# KiCad board Eclipse65.kicad_pcb (continued)
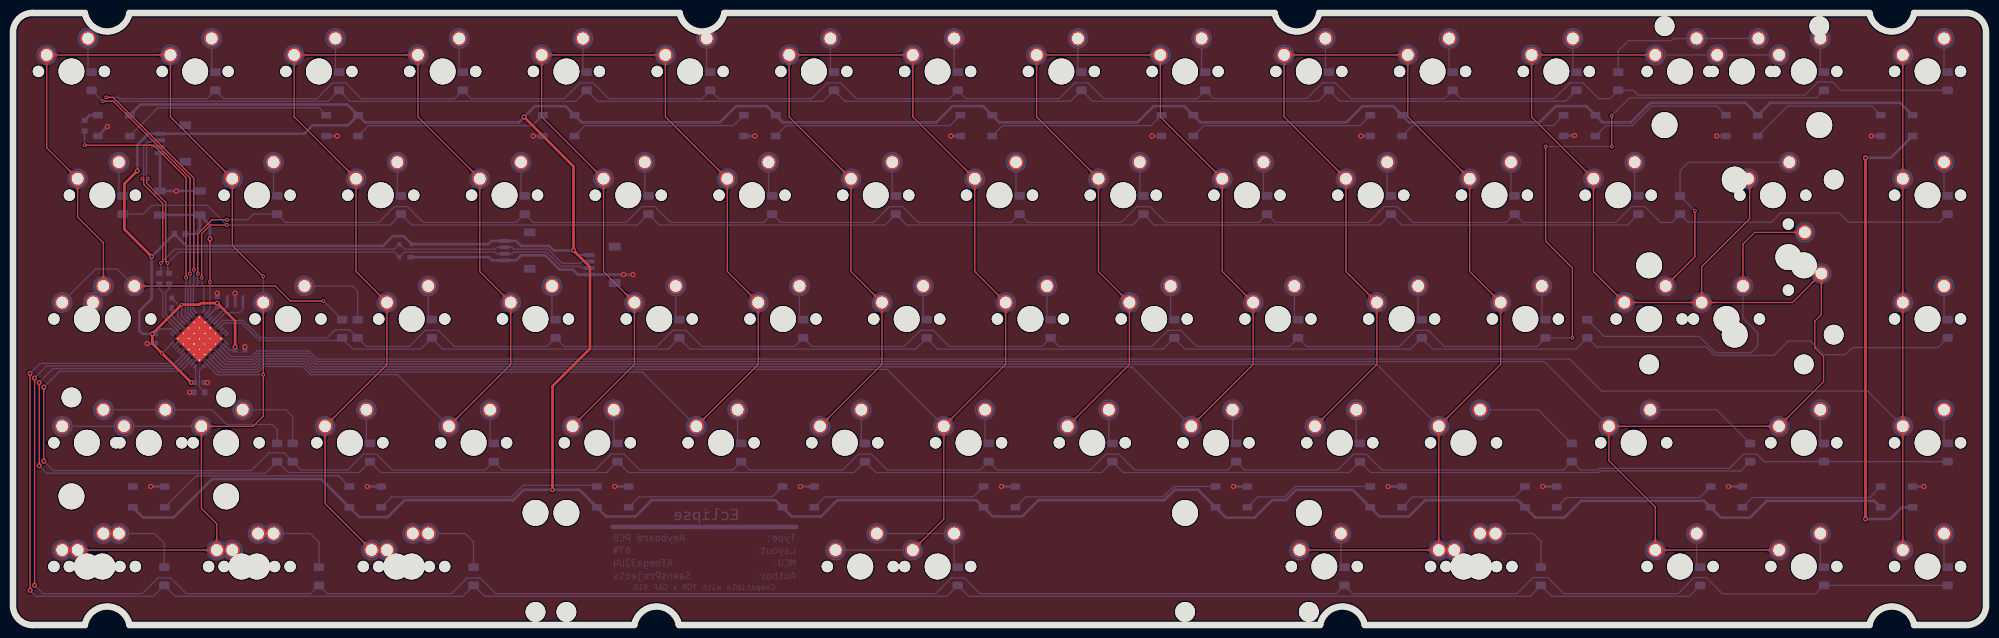
[diagram p0: board, top side]
## Copper pours and planes (outline as drawn; the poured copper is in the pictures) (continued)
Net-(D48-Pad2) on Bottom: 297.39,11.69 297.39,11.79 297.4,11.89 297.41,11.98 297.42,12.06 297.43,12.14 297.45,12.21 297.47,12.28 297.5,12.34 297.52,12.4 297.55,12.45 297.58,12.51 297.62,12.56 297.65,12.61 297.69,12.66 298.07,13.08 298.11,13.14 298.16,13.2 298.2,13.26 298.24,13.33 298.29,13.4 298.33,13.48 298.37,13.56 297.29,14.68 296.21,13.56 296.25,13.48 296.29,13.4 296.34,13.33 296.38,13.26 296.42,13.2 296.47,13.14 296.51,13.08 296.89,12.66 296.93,12.61 296.96,12.56 297,12.51 297.03,12.45 297.06,12.4 297.08,12.34 297.11,12.28 297.13,12.21 297.15,12.14 297.16,12.06 297.17,11.98 297.18,11.89 297.19,11.79 297.19,11.69
Net-(D48-Pad2) on Bottom: 297.39,10.89 297.39,11.03 297.4,11.15 297.41,11.27 297.43,11.38 297.45,11.49 297.48,11.58 297.51,11.67 297.54,11.76 297.58,11.84 297.61,11.91 297.66,11.98 297.7,12.05 297.75,12.12 297.8,12.18 297.85,12.24 297.91,12.3 298.2,12.61 298.26,12.68 298.32,12.75 298.38,12.82 298.44,12.9 298.5,12.99 298.56,13.07 298.62,13.17 298.67,13.27 298.73,13.38 297.29,14.88 295.85,13.38 295.91,13.27 295.96,13.17 296.02,13.07 296.08,12.99 296.14,12.9 296.2,12.82 296.26,12.75 296.32,12.68 296.38,12.61 296.67,12.3 296.73,12.24 296.78,12.18 296.83,12.12 296.88,12.05 296.92,11.98 296.97,11.91 297,11.84 297.04,11.76 297.07,11.67 297.1,11.58 297.13,11.49 297.15,11.38 297.17,11.27 297.18,11.15 297.19,11.03 297.19,10.89
Net-(D49-Pad2) on Bottom: 17.11,33.23 16.97,33.23 16.85,33.24 16.73,33.25 16.62,33.27 16.51,33.29 16.42,33.32 16.33,33.35 16.24,33.38 16.16,33.42 16.09,33.45 16.02,33.5 15.95,33.54 15.89,33.59 15.82,33.64 15.76,33.69 15.7,33.75 15.39,34.04 15.32,34.1 15.25,34.16 15.18,34.22 15.1,34.28 15.02,34.34 14.93,34.4 14.83,34.46 14.73,34.51 14.62,34.57 13.12,33.13 14.62,31.69 14.73,31.75 14.83,31.8 14.93,31.86 15.02,31.92 15.1,31.98 15.18,32.04 15.25,32.1 15.32,32.16 15.39,32.22 15.7,32.51 15.76,32.57 15.82,32.62 15.89,32.67 15.95,32.72 16.02,32.76 16.09,32.81 16.16,32.84 16.24,32.88 16.33,32.91 16.42,32.94 16.51,32.97 16.62,32.99 16.73,33.01 16.85,33.02 16.97,33.03 17.11,33.03
Net-(D49-Pad2) on Bottom: 16.31,33.23 16.21,33.23 16.11,33.24 16.03,33.25 15.94,33.26 15.87,33.27 15.79,33.29 15.73,33.31 15.66,33.34 15.6,33.36 15.55,33.39 15.49,33.42 15.44,33.46 15.39,33.49 15.35,33.53 14.92,33.91 14.86,33.95 14.8,34 14.74,34.04 14.67,34.08 14.6,34.13 14.53,34.17 14.44,34.21 13.32,33.13 14.44,32.05 14.53,32.09 14.6,32.13 14.67,32.18 14.74,32.22 14.8,32.26 14.86,32.31 14.92,32.35 15.35,32.73 15.39,32.77 15.44,32.8 15.49,32.84 15.55,32.87 15.6,32.9 15.66,32.92 15.73,32.95 15.79,32.97 15.87,32.99 15.94,33 16.03,33.01 16.11,33.02 16.21,33.03 16.31,33.03
Net-(D49-Pad2) on Bottom: 20.26,33.03 20.39,33.03 20.52,33.02 20.64,33.01 20.75,32.99 20.85,32.97 20.95,32.94 21.04,32.91 21.12,32.88 21.2,32.84 21.28,32.81 21.35,32.76 21.42,32.72 21.48,32.67 21.55,32.62 21.61,32.57 21.67,32.51 21.98,32.22 22.04,32.16 22.11,32.1 22.19,32.04 22.27,31.98 22.35,31.92 22.44,31.86 22.54,31.8 22.64,31.75 22.75,31.69 24.25,33.13 22.75,34.57 22.64,34.51 22.54,34.46 22.44,34.4 22.35,34.34 22.27,34.28 22.19,34.22 22.11,34.16 22.04,34.1 21.98,34.04 21.67,33.75 21.61,33.69 21.55,33.64 21.48,33.59 21.42,33.54 21.35,33.5 21.28,33.45 21.2,33.42 21.12,33.38 21.04,33.35 20.95,33.32 20.85,33.29 20.75,33.27 20.64,33.25 20.52,33.24 20.39,33.23 20.26,33.23
Net-(D49-Pad2) on Bottom: 21.06,33.03 21.16,33.03 21.25,33.02 21.34,33.01 21.42,33 21.5,32.99 21.57,32.97 21.64,32.95 21.71,32.92 21.76,32.9 21.82,32.87 21.87,32.84 21.93,32.8 21.97,32.77 22.02,32.73 22.45,32.35 22.51,32.31 22.56,32.26 22.63,32.22 22.69,32.18 22.77,32.13 22.84,32.09 22.92,32.05 24.05,33.13 22.92,34.21 22.84,34.17 22.77,34.13 22.69,34.08 22.63,34.04 22.56,34 22.51,33.95 22.45,33.91 22.02,33.53 21.97,33.49 21.93,33.46 21.87,33.42 21.82,33.39 21.76,33.36 21.71,33.34 21.64,33.31 21.57,33.29 21.5,33.27 21.42,33.26 21.34,33.25 21.25,33.24 21.16,33.23 21.06,33.23
Net-(D49-Pad2) on Bottom: 26.64,33.23 26.5,33.23 26.37,33.24 26.25,33.25 26.14,33.27 26.04,33.29 25.94,33.32 25.85,33.35 25.77,33.38 25.69,33.42 25.61,33.45 25.54,33.5 25.48,33.54 25.41,33.59 25.35,33.64 25.29,33.69 25.23,33.75 24.92,34.04 24.85,34.1 24.78,34.16 24.7,34.22 24.63,34.28 24.54,34.34 24.45,34.4 24.36,34.46 24.25,34.51 24.14,34.57 22.65,33.13 24.14,31.69 24.25,31.75 24.36,31.8 24.45,31.86 24.54,31.92 24.63,31.98 24.7,32.04 24.78,32.1 24.85,32.16 24.92,32.22 25.23,32.51 25.29,32.57 25.35,32.62 25.41,32.67 25.48,32.72 25.54,32.76 25.61,32.81 25.69,32.84 25.77,32.88 25.85,32.91 25.94,32.94 26.04,32.97 26.14,32.99 26.25,33.01 26.37,33.02 26.5,33.03 26.64,33.03
Net-(D49-Pad2) on Bottom: 25.84,33.23 25.73,33.23 25.64,33.24 25.55,33.25 25.47,33.26 25.39,33.27 25.32,33.29 25.25,33.31 25.19,33.34 25.13,33.36 25.07,33.39 25.02,33.42 24.97,33.46 24.92,33.49 24.87,33.53 24.44,33.91 24.39,33.95 24.33,34 24.27,34.04 24.2,34.08 24.13,34.13 24.05,34.17 23.97,34.21 22.85,33.13 23.97,32.05 24.05,32.09 24.13,32.13 24.2,32.18 24.27,32.22 24.33,32.26 24.39,32.31 24.44,32.35 24.87,32.73 24.92,32.77 24.97,32.8 25.02,32.84 25.07,32.87 25.13,32.9 25.19,32.92 25.25,32.95 25.32,32.97 25.39,32.99 25.47,33 25.55,33.01 25.64,33.02 25.73,33.03 25.84,33.03
Net-(D49-Pad2) on Bottom: 40.57,29.14 40.13,28.21 40.67,27.65 41.21,28.21 40.77,29.14
Net-(D50-Pad2) on Bottom: 38.54,33.23 38.41,33.23 38.28,33.24 38.16,33.25 38.05,33.27 37.95,33.29 37.85,33.32 37.76,33.35 37.67,33.38 37.6,33.42 37.52,33.45 37.45,33.5 37.38,33.54 37.32,33.59 37.25,33.64 37.19,33.69 37.13,33.75 36.82,34.04 36.76,34.1 36.68,34.16 36.61,34.22 36.53,34.28 36.45,34.34 36.36,34.4 36.26,34.46 36.16,34.51 36.05,34.57 34.55,33.13 36.05,31.69 36.16,31.75 36.26,31.8 36.36,31.86 36.45,31.92 36.53,31.98 36.61,32.04 36.68,32.1 36.76,32.16 36.82,32.22 37.13,32.51 37.19,32.57 37.25,32.62 37.32,32.67 37.38,32.72 37.45,32.76 37.52,32.81 37.6,32.84 37.67,32.88 37.76,32.91 37.85,32.94 37.95,32.97 38.05,32.99 38.16,33.01 38.28,33.02 38.41,33.03 38.54,33.03
Net-(D50-Pad2) on Bottom: 37.74,33.23 37.64,33.23 37.55,33.24 37.46,33.25 37.37,33.26 37.3,33.27 37.22,33.29 37.16,33.31 37.09,33.34 37.03,33.36 36.98,33.39 36.92,33.42 36.87,33.46 36.82,33.49 36.78,33.53 36.35,33.91 36.29,33.95 36.23,34 36.17,34.04 36.1,34.08 36.03,34.13 35.96,34.17 35.88,34.21 34.75,33.13 35.88,32.05 35.96,32.09 36.03,32.13 36.1,32.18 36.17,32.22 36.23,32.26 36.29,32.31 36.35,32.35 36.78,32.73 36.82,32.77 36.87,32.8 36.92,32.84 36.98,32.87 37.03,32.9 37.09,32.92 37.16,32.95 37.22,32.97 37.3,32.99 37.37,33 37.46,33.01 37.55,33.02 37.64,33.03 37.74,33.03
Net-(D50-Pad2) on Bottom: 42.96,29.14 42.52,28.21 43.06,27.65 43.6,28.21 43.16,29.14
Net-(D51-Pad2) on Bottom: 54.5,29.94 54.51,30.08 54.51,30.2 54.53,30.32 54.54,30.43 54.56,30.54 54.59,30.63 54.62,30.72 54.65,30.81 54.69,30.89 54.73,30.96 54.77,31.03 54.82,31.1 54.86,31.17 54.91,31.23 54.97,31.29 55.02,31.35 55.31,31.66 55.37,31.73 55.43,31.8 55.49,31.87 55.55,31.95 55.61,32.04 55.67,32.12 55.73,32.22 55.79,32.32 55.84,32.43 54.4,33.93 52.96,32.43 53.02,32.32 53.08,32.22 53.13,32.12 53.19,32.04 53.25,31.95 53.31,31.87 53.37,31.8 53.43,31.73 53.49,31.66 53.79,31.35 53.84,31.29 53.89,31.23 53.94,31.17 53.99,31.1 54.03,31.03 54.08,30.96 54.12,30.89 54.15,30.81 54.19,30.72 54.22,30.63 54.24,30.54 54.26,30.43 54.28,30.32 54.29,30.2 54.3,30.08 54.3,29.94
Net-(D51-Pad2) on Bottom: 54.5,30.74 54.5,30.84 54.51,30.94 54.52,31.03 54.53,31.11 54.55,31.19 54.57,31.26 54.59,31.33 54.61,31.39 54.64,31.45 54.67,31.5 54.7,31.56 54.73,31.61 54.76,31.66 54.8,31.71 55.18,32.13 55.22,32.19 55.27,32.25 55.31,32.31 55.36,32.38 55.4,32.45 55.44,32.53 55.48,32.61 54.4,33.73 53.32,32.61 53.36,32.53 53.41,32.45 53.45,32.38 53.49,32.31 53.54,32.25 53.58,32.19 53.63,32.13 54,31.71 54.04,31.66 54.08,31.61 54.11,31.56 54.14,31.5 54.17,31.45 54.19,31.39 54.22,31.33 54.24,31.26 54.26,31.19 54.27,31.11 54.29,31.03 54.3,30.94 54.3,30.84 54.3,30.74
Net-(D52-Pad2) on Bottom: 73.55,29.94 73.56,30.08 73.56,30.2 73.58,30.32 73.59,30.43 73.61,30.54 73.64,30.63 73.67,30.72 73.7,30.81 73.74,30.89 73.78,30.96 73.82,31.03 73.87,31.1 73.91,31.17 73.96,31.23 74.02,31.29 74.07,31.35 74.36,31.66 74.42,31.73 74.48,31.8 74.54,31.87 74.6,31.95 74.66,32.04 74.72,32.12 74.78,32.22 74.84,32.32 74.89,32.43 73.45,33.93 72.01,32.43 72.07,32.32 72.13,32.22 72.18,32.12 72.24,32.04 72.3,31.95 72.36,31.87 72.42,31.8 72.48,31.73 72.54,31.66 72.84,31.35 72.89,31.29 72.94,31.23 72.99,31.17 73.04,31.1 73.08,31.03 73.13,30.96 73.17,30.89 73.2,30.81 73.24,30.72 73.27,30.63 73.29,30.54 73.31,30.43 73.33,30.32 73.34,30.2 73.35,30.08 73.35,29.94
Net-(D52-Pad2) on Bottom: 73.55,30.74 73.55,30.84 73.56,30.94 73.57,31.03 73.58,31.11 73.6,31.19 73.62,31.26 73.64,31.33 73.66,31.39 73.69,31.45 73.72,31.5 73.75,31.56 73.78,31.61 73.81,31.66 73.85,31.71 74.23,32.13 74.27,32.19 74.32,32.25 74.36,32.31 74.41,32.38 74.45,32.45 74.49,32.53 74.53,32.61 73.45,33.73 72.37,32.61 72.41,32.53 72.46,32.45 72.5,32.38 72.54,32.31 72.59,32.25 72.63,32.19 72.68,32.13 73.05,31.71 73.09,31.66 73.13,31.61 73.16,31.56 73.19,31.5 73.22,31.45 73.24,31.39 73.27,31.33 73.29,31.26 73.31,31.19 73.32,31.11 73.34,31.03 73.35,30.94 73.35,30.84 73.35,30.74
Net-(D53-Pad2) on Bottom: 92.6,29.94 92.61,30.08 92.61,30.2 92.63,30.32 92.64,30.43 92.66,30.54 92.69,30.63 92.72,30.72 92.75,30.81 92.79,30.89 92.83,30.96 92.87,31.03 92.92,31.1 92.96,31.17 93.01,31.23 93.07,31.29 93.12,31.35 93.41,31.66 93.47,31.73 93.53,31.8 93.59,31.87 93.65,31.95 93.71,32.04 93.77,32.12 93.83,32.22 93.89,32.32 93.94,32.43 92.5,33.93 91.06,32.43 91.12,32.32 91.18,32.22 91.23,32.12 91.29,32.04 91.35,31.95 91.41,31.87 91.47,31.8 91.53,31.73 91.59,31.66 91.89,31.35 91.94,31.29 91.99,31.23 92.04,31.17 92.09,31.1 92.13,31.03 92.18,30.96 92.22,30.89 92.25,30.81 92.29,30.72 92.32,30.63 92.34,30.54 92.36,30.43 92.38,30.32 92.39,30.2 92.4,30.08 92.4,29.94
Net-(D53-Pad2) on Bottom: 92.6,30.74 92.6,30.84 92.61,30.94 92.62,31.03 92.63,31.11 92.65,31.19 92.67,31.26 92.69,31.33 92.71,31.39 92.74,31.45 92.77,31.5 92.8,31.56 92.83,31.61 92.86,31.66 92.9,31.71 93.28,32.13 93.32,32.19 93.37,32.25 93.41,32.31 93.46,32.38 93.5,32.45 93.54,32.53 93.58,32.61 92.5,33.73 91.42,32.61 91.46,32.53 91.51,32.45 91.55,32.38 91.59,32.31 91.64,32.25 91.68,32.19 91.73,32.13 92.1,31.71 92.14,31.66 92.18,31.61 92.21,31.56 92.24,31.5 92.27,31.45 92.29,31.39 92.32,31.33 92.34,31.26 92.36,31.19 92.37,31.11 92.39,31.03 92.4,30.94 92.4,30.84 92.4,30.74
Net-(D54-Pad2) on Bottom: 111.65,29.94 111.66,30.08 111.66,30.2 111.68,30.32 111.69,30.43 111.71,30.54 111.74,30.63 111.77,30.72 111.8,30.81 111.84,30.89 111.88,30.96 111.92,31.03 111.97,31.1 112.01,31.17 112.06,31.23 112.12,31.29 112.17,31.35 112.46,31.66 112.52,31.73 112.58,31.8 112.64,31.87 112.7,31.95 112.76,32.04 112.82,32.12 112.88,32.22 112.94,32.32 112.99,32.43 111.55,33.93 110.11,32.43 110.17,32.32 110.23,32.22 110.28,32.12 110.34,32.04 110.4,31.95 110.46,31.87 110.52,31.8 110.58,31.73 110.64,31.66 110.94,31.35 110.99,31.29 111.04,31.23 111.09,31.17 111.14,31.1 111.18,31.03 111.23,30.96 111.27,30.89 111.3,30.81 111.34,30.72 111.37,30.63 111.39,30.54 111.41,30.43 111.43,30.32 111.44,30.2 111.45,30.08 111.45,29.94
Net-(D54-Pad2) on Bottom: 111.65,30.74 111.65,30.84 111.66,30.94 111.67,31.03 111.68,31.11 111.7,31.19 111.72,31.26 111.74,31.33 111.76,31.39 111.79,31.45 111.82,31.5 111.85,31.56 111.88,31.61 111.91,31.66 111.95,31.71 112.33,32.13 112.37,32.19 112.42,32.25 112.46,32.31 112.51,32.38 112.55,32.45 112.59,32.53 112.63,32.61 111.55,33.73 110.47,32.61 110.51,32.53 110.56,32.45 110.6,32.38 110.64,32.31 110.69,32.25 110.73,32.19 110.78,32.13 111.15,31.71 111.19,31.66 111.23,31.61 111.26,31.56 111.29,31.5 111.32,31.45 111.34,31.39 111.37,31.33 111.39,31.26 111.41,31.19 111.42,31.11 111.44,31.03 111.45,30.94 111.45,30.84 111.45,30.74
Net-(D55-Pad2) on Bottom: 130.7,29.94 130.71,30.08 130.71,30.2 130.73,30.32 130.74,30.43 130.76,30.54 130.79,30.63 130.82,30.72 130.85,30.81 130.89,30.89 130.93,30.96 130.97,31.03 131.02,31.1 131.06,31.17 131.11,31.23 131.17,31.29 131.22,31.35 131.51,31.66 131.57,31.73 131.63,31.8 131.69,31.87 131.75,31.95 131.81,32.04 131.87,32.12 131.93,32.22 131.99,32.32 132.04,32.43 130.6,33.93 129.16,32.43 129.22,32.32 129.28,32.22 129.33,32.12 129.39,32.04 129.45,31.95 129.51,31.87 129.57,31.8 129.63,31.73 129.69,31.66 129.99,31.35 130.04,31.29 130.09,31.23 130.14,31.17 130.19,31.1 130.23,31.03 130.28,30.96 130.32,30.89 130.35,30.81 130.39,30.72 130.42,30.63 130.44,30.54 130.46,30.43 130.48,30.32 130.49,30.2 130.5,30.08 130.5,29.94
Net-(D55-Pad2) on Bottom: 130.7,30.74 130.7,30.84 130.71,30.94 130.72,31.03 130.73,31.11 130.75,31.19 130.77,31.26 130.79,31.33 130.81,31.39 130.84,31.45 130.87,31.5 130.9,31.56 130.93,31.61 130.96,31.66 131,31.71 131.38,32.13 131.42,32.19 131.47,32.25 131.51,32.31 131.56,32.38 131.6,32.45 131.64,32.53 131.68,32.61 130.6,33.73 129.52,32.61 129.56,32.53 129.61,32.45 129.65,32.38 129.69,32.31 129.74,32.25 129.78,32.19 129.83,32.13 130.2,31.71 130.24,31.66 130.28,31.61 130.31,31.56 130.34,31.5 130.37,31.45 130.39,31.39 130.42,31.33 130.44,31.26 130.46,31.19 130.47,31.11 130.49,31.03 130.5,30.94 130.5,30.84 130.5,30.74
Net-(D56-Pad2) on Bottom: 149.75,29.94 149.76,30.08 149.76,30.2 149.78,30.32 149.79,30.43 149.81,30.54 149.84,30.63 149.87,30.72 149.9,30.81 149.94,30.89 149.98,30.96 150.02,31.03 150.07,31.1 150.11,31.17 150.16,31.23 150.22,31.29 150.27,31.35 150.56,31.66 150.62,31.73 150.68,31.8 150.74,31.87 150.8,31.95 150.86,32.04 150.92,32.12 150.98,32.22 151.04,32.32 151.09,32.43 149.65,33.93 148.21,32.43 148.27,32.32 148.33,32.22 148.38,32.12 148.44,32.04 148.5,31.95 148.56,31.87 148.62,31.8 148.68,31.73 148.74,31.66 149.04,31.35 149.09,31.29 149.14,31.23 149.19,31.17 149.24,31.1 149.28,31.03 149.33,30.96 149.37,30.89 149.4,30.81 149.44,30.72 149.47,30.63 149.49,30.54 149.51,30.43 149.53,30.32 149.54,30.2 149.55,30.08 149.55,29.94
Net-(D56-Pad2) on Bottom: 149.75,30.74 149.75,30.84 149.76,30.94 149.77,31.03 149.78,31.11 149.8,31.19 149.82,31.26 149.84,31.33 149.86,31.39 149.89,31.45 149.92,31.5 149.95,31.56 149.98,31.61 150.01,31.66 150.05,31.71 150.43,32.13 150.47,32.19 150.52,32.25 150.56,32.31 150.61,32.38 150.65,32.45 150.69,32.53 150.73,32.61 149.65,33.73 148.57,32.61 148.61,32.53 148.66,32.45 148.7,32.38 148.74,32.31 148.79,32.25 148.83,32.19 148.88,32.13 149.25,31.71 149.29,31.66 149.33,31.61 149.36,31.56 149.39,31.5 149.42,31.45 149.44,31.39 149.47,31.33 149.49,31.26 149.51,31.19 149.52,31.11 149.54,31.03 149.55,30.94 149.55,30.84 149.55,30.74
Net-(D57-Pad2) on Bottom: 168.8,29.94 168.81,30.08 168.81,30.2 168.83,30.32 168.84,30.43 168.86,30.54 168.89,30.63 168.92,30.72 168.95,30.81 168.99,30.89 169.03,30.96 169.07,31.03 169.12,31.1 169.16,31.17 169.21,31.23 169.27,31.29 169.32,31.35 169.61,31.66 169.67,31.73 169.73,31.8 169.79,31.87 169.85,31.95 169.91,32.04 169.97,32.12 170.03,32.22 170.09,32.32 170.14,32.43 168.7,33.93 167.26,32.43 167.32,32.32 167.38,32.22 167.43,32.12 167.49,32.04 167.55,31.95 167.61,31.87 167.67,31.8 167.73,31.73 167.79,31.66 168.09,31.35 168.14,31.29 168.19,31.23 168.24,31.17 168.29,31.1 168.33,31.03 168.38,30.96 168.42,30.89 168.45,30.81 168.49,30.72 168.52,30.63 168.54,30.54 168.56,30.43 168.58,30.32 168.59,30.2 168.6,30.08 168.6,29.94
Net-(D57-Pad2) on Bottom: 168.8,30.74 168.8,30.84 168.81,30.94 168.82,31.03 168.83,31.11 168.85,31.19 168.87,31.26 168.89,31.33 168.91,31.39 168.94,31.45 168.97,31.5 169,31.56 169.03,31.61 169.06,31.66 169.1,31.71 169.48,32.13 169.52,32.19 169.57,32.25 169.61,32.31 169.66,32.38 169.7,32.45 169.74,32.53 169.78,32.61 168.7,33.73 167.62,32.61 167.66,32.53 167.71,32.45 167.75,32.38 167.79,32.31 167.84,32.25 167.88,32.19 167.93,32.13 168.3,31.71 168.34,31.66 168.38,31.61 168.41,31.56 168.44,31.5 168.47,31.45 168.49,31.39 168.52,31.33 168.54,31.26 168.56,31.19 168.57,31.11 168.59,31.03 168.6,30.94 168.6,30.84 168.6,30.74
Net-(D58-Pad2) on Bottom: 187.85,29.94 187.86,30.08 187.86,30.2 187.88,30.32 187.89,30.43 187.91,30.54 187.94,30.63 187.97,30.72 188,30.81 188.04,30.89 188.08,30.96 188.12,31.03 188.17,31.1 188.21,31.17 188.26,31.23 188.32,31.29 188.37,31.35 188.66,31.66 188.72,31.73 188.78,31.8 188.84,31.87 188.9,31.95 188.96,32.04 189.02,32.12 189.08,32.22 189.14,32.32 189.19,32.43 187.75,33.93 186.31,32.43 186.37,32.32 186.43,32.22 186.48,32.12 186.54,32.04 186.6,31.95 186.66,31.87 186.72,31.8 186.78,31.73 186.84,31.66 187.14,31.35 187.19,31.29 187.24,31.23 187.29,31.17 187.34,31.1 187.38,31.03 187.43,30.96 187.47,30.89 187.5,30.81 187.54,30.72 187.57,30.63 187.59,30.54 187.61,30.43 187.63,30.32 187.64,30.2 187.65,30.08 187.65,29.94
Net-(D58-Pad2) on Bottom: 187.85,30.74 187.85,30.84 187.86,30.94 187.87,31.03 187.88,31.11 187.9,31.19 187.92,31.26 187.94,31.33 187.96,31.39 187.99,31.45 188.02,31.5 188.05,31.56 188.08,31.61 188.11,31.66 188.15,31.71 188.53,32.13 188.57,32.19 188.62,32.25 188.66,32.31 188.71,32.38 188.75,32.45 188.79,32.53 188.83,32.61 187.75,33.73 186.67,32.61 186.71,32.53 186.76,32.45 186.8,32.38 186.84,32.31 186.89,32.25 186.93,32.19 186.98,32.13 187.35,31.71 187.39,31.66 187.43,31.61 187.46,31.56 187.49,31.5 187.52,31.45 187.54,31.39 187.57,31.33 187.59,31.26 187.61,31.19 187.62,31.11 187.64,31.03 187.65,30.94 187.65,30.84 187.65,30.74
Net-(D59-Pad2) on Bottom: 206.9,29.94 206.91,30.08 206.91,30.2 206.93,30.32 206.94,30.43 206.96,30.54 206.99,30.63 207.02,30.72 207.05,30.81 207.09,30.89 207.13,30.96 207.17,31.03 207.22,31.1 207.26,31.17 207.31,31.23 207.37,31.29 207.42,31.35 207.71,31.66 207.77,31.73 207.83,31.8 207.89,31.87 207.95,31.95 208.01,32.04 208.07,32.12 208.13,32.22 208.19,32.32 208.24,32.43 206.8,33.93 205.36,32.43 205.42,32.32 205.48,32.22 205.53,32.12 205.59,32.04 205.65,31.95 205.71,31.87 205.77,31.8 205.83,31.73 205.89,31.66 206.19,31.35 206.24,31.29 206.29,31.23 206.34,31.17 206.39,31.1 206.43,31.03 206.48,30.96 206.52,30.89 206.55,30.81 206.59,30.72 206.62,30.63 206.64,30.54 206.66,30.43 206.68,30.32 206.69,30.2 206.7,30.08 206.7,29.94
Net-(D59-Pad2) on Bottom: 206.9,30.74 206.9,30.84 206.91,30.94 206.92,31.03 206.93,31.11 206.95,31.19 206.97,31.26 206.99,31.33 207.01,31.39 207.04,31.45 207.07,31.5 207.1,31.56 207.13,31.61 207.16,31.66 207.2,31.71 207.58,32.13 207.62,32.19 207.67,32.25 207.71,32.31 207.76,32.38 207.8,32.45 207.84,32.53 207.88,32.61 206.8,33.73 205.72,32.61 205.76,32.53 205.81,32.45 205.85,32.38 205.89,32.31 205.94,32.25 205.98,32.19 206.03,32.13 206.4,31.71 206.44,31.66 206.48,31.61 206.51,31.56 206.54,31.5 206.57,31.45 206.59,31.39 206.62,31.33 206.64,31.26 206.66,31.19 206.67,31.11 206.69,31.03 206.7,30.94 206.7,30.84 206.7,30.74
Net-(D60-Pad2) on Bottom: 229.04,33.23 228.91,33.23 228.78,33.24 228.66,33.25 228.55,33.27 228.45,33.29 228.35,33.32 228.26,33.35 228.17,33.38 228.1,33.42 228.02,33.45 227.95,33.5 227.88,33.54 227.82,33.59 227.75,33.64 227.69,33.69 227.63,33.75 227.32,34.04 227.26,34.1 227.18,34.16 227.11,34.22 227.03,34.28 226.95,34.34 226.86,34.4 226.76,34.46 226.66,34.51 226.55,34.57 225.05,33.13 226.55,31.69 226.66,31.75 226.76,31.8 226.86,31.86 226.95,31.92 227.03,31.98 227.11,32.04 227.18,32.1 227.26,32.16 227.32,32.22 227.63,32.51 227.69,32.57 227.75,32.62 227.82,32.67 227.88,32.72 227.95,32.76 228.02,32.81 228.1,32.84 228.17,32.88 228.26,32.91 228.35,32.94 228.45,32.97 228.55,32.99 228.66,33.01 228.78,33.02 228.91,33.03 229.04,33.03
Net-(D60-Pad2) on Bottom: 228.24,33.23 228.14,33.23 228.05,33.24 227.96,33.25 227.87,33.26 227.8,33.27 227.72,33.29 227.66,33.31 227.59,33.34 227.53,33.36 227.48,33.39 227.42,33.42 227.37,33.46 227.32,33.49 227.28,33.53 226.85,33.91 226.79,33.95 226.73,34 226.67,34.04 226.6,34.08 226.53,34.13 226.46,34.17 226.38,34.21 225.25,33.13 226.38,32.05 226.46,32.09 226.53,32.13 226.6,32.18 226.67,32.22 226.73,32.26 226.79,32.31 226.85,32.35 227.28,32.73 227.32,32.77 227.37,32.8 227.42,32.84 227.48,32.87 227.53,32.9 227.59,32.92 227.66,32.95 227.72,32.97 227.8,32.99 227.87,33 227.96,33.01 228.05,33.02 228.14,33.03 228.24,33.03
Net-(D60-Pad2) on Bottom: 239.07,28.72 239.41,27.75 240.19,27.74 240.18,28.52 239.21,28.86
Net-(D62-Pad2) on Bottom: 255.24,33.23 255.1,33.23 254.97,33.24 254.85,33.25 254.74,33.27 254.64,33.29 254.54,33.32 254.45,33.35 254.37,33.38 254.29,33.42 254.21,33.45 254.14,33.5 254.08,33.54 254.01,33.59 253.95,33.64 253.89,33.69 253.83,33.75 253.52,34.04 253.45,34.1 253.38,34.16 253.3,34.22 253.23,34.28 253.14,34.34 253.05,34.4 252.96,34.46 252.85,34.51 252.74,34.57 251.25,33.13 252.74,31.69 252.85,31.75 252.96,31.8 253.05,31.86 253.14,31.92 253.23,31.98 253.3,32.04 253.38,32.1 253.45,32.16 253.52,32.22 253.83,32.51 253.89,32.57 253.95,32.62 254.01,32.67 254.08,32.72 254.14,32.76 254.21,32.81 254.29,32.84 254.37,32.88 254.45,32.91 254.54,32.94 254.64,32.97 254.74,32.99 254.85,33.01 254.97,33.02 255.1,33.03 255.24,33.03
Net-(D62-Pad2) on Bottom: 254.44,33.23 254.33,33.23 254.24,33.24 254.15,33.25 254.07,33.26 253.99,33.27 253.92,33.29 253.85,33.31 253.79,33.34 253.73,33.36 253.67,33.39 253.62,33.42 253.57,33.46 253.52,33.49 253.47,33.53 253.04,33.91 252.99,33.95 252.93,34 252.87,34.04 252.8,34.08 252.73,34.13 252.65,34.17 252.57,34.21 251.45,33.13 252.57,32.05 252.65,32.09 252.73,32.13 252.8,32.18 252.87,32.22 252.93,32.26 252.99,32.31 253.04,32.35 253.47,32.73 253.52,32.77 253.57,32.8 253.62,32.84 253.67,32.87 253.73,32.9 253.79,32.92 253.85,32.95 253.92,32.97 253.99,32.99 254.07,33 254.15,33.01 254.24,33.02 254.33,33.03 254.44,33.03
Net-(D62-Pad2) on Bottom: 266.53,28.72 266.88,27.75 267.66,27.74 267.64,28.52 266.67,28.86
Net-(D63-Pad2) on Bottom: 278.34,29.94 278.34,30.08 278.35,30.2 278.36,30.32 278.38,30.43 278.4,30.54 278.43,30.63 278.46,30.72 278.49,30.81 278.53,30.89 278.56,30.96 278.61,31.03 278.65,31.1 278.7,31.17 278.75,31.23 278.8,31.29 278.86,31.35 279.15,31.66 279.21,31.73 279.27,31.8 279.33,31.87 279.39,31.95 279.45,32.04 279.51,32.12 279.57,32.22 279.62,32.32 279.68,32.43 278.24,33.93 276.8,32.43 276.86,32.32 276.91,32.22 276.97,32.12 277.03,32.04 277.09,31.95 277.15,31.87 277.21,31.8 277.27,31.73 277.33,31.66 277.62,31.35 277.68,31.29 277.73,31.23 277.78,31.17 277.83,31.1 277.87,31.03 277.92,30.96 277.95,30.89 277.99,30.81 278.02,30.72 278.05,30.63 278.08,30.54 278.1,30.43 278.12,30.32 278.13,30.2 278.14,30.08 278.14,29.94
Net-(D63-Pad2) on Bottom: 278.34,30.74 278.34,30.84 278.35,30.94 278.36,31.03 278.37,31.11 278.38,31.19 278.4,31.26 278.42,31.33 278.45,31.39 278.47,31.45 278.5,31.5 278.53,31.56 278.57,31.61 278.6,31.66 278.64,31.71 279.02,32.13 279.06,32.19 279.11,32.25 279.15,32.31 279.19,32.38 279.24,32.45 279.28,32.53 279.32,32.61 278.24,33.73 277.16,32.61 277.2,32.53 277.24,32.45 277.29,32.38 277.33,32.31 277.37,32.25 277.42,32.19 277.46,32.13 277.84,31.71 277.88,31.66 277.91,31.61 277.95,31.56 277.98,31.5 278.01,31.45 278.03,31.39 278.06,31.33 278.08,31.26 278.1,31.19 278.11,31.11 278.12,31.03 278.13,30.94 278.14,30.84 278.14,30.74
Net-(D65-Pad2) on Bottom: 19.49,14.18 19.36,14.18 19.23,14.19 19.11,14.2 19,14.22 18.9,14.24 18.8,14.27 18.71,14.3 18.62,14.33 18.55,14.37 18.47,14.4 18.4,14.45 18.33,14.49 18.27,14.54 18.2,14.59 18.14,14.64 18.08,14.7 17.77,14.99 17.71,15.05 17.63,15.11 17.56,15.17 17.48,15.23 17.4,15.29 17.31,15.35 17.21,15.41 17.11,15.46 17,15.52 15.5,14.08 17,12.64 17.11,12.7 17.21,12.75 17.31,12.81 17.4,12.87 17.48,12.93 17.56,12.99 17.63,13.05 17.71,13.11 17.77,13.17 18.08,13.46 18.14,13.52 18.2,13.57 18.27,13.62 18.33,13.67 18.4,13.71 18.47,13.76 18.55,13.79 18.62,13.83 18.71,13.86 18.8,13.89 18.9,13.92 19,13.94 19.11,13.96 19.23,13.97 19.36,13.98 19.49,13.98
Net-(D65-Pad2) on Bottom: 18.69,14.18 18.59,14.18 18.5,14.19 18.41,14.2 18.32,14.21 18.25,14.22 18.17,14.24 18.11,14.26 18.04,14.29 17.98,14.31 17.93,14.34 17.87,14.37 17.82,14.41 17.77,14.44 17.73,14.48 17.3,14.86 17.24,14.9 17.18,14.95 17.12,14.99 17.05,15.03 16.98,15.08 16.91,15.12 16.83,15.16 15.7,14.08 16.83,13 16.91,13.04 16.98,13.08 17.05,13.13 17.12,13.17 17.18,13.21 17.24,13.26 17.3,13.3 17.73,13.68 17.77,13.72 17.82,13.75 17.87,13.79 17.93,13.82 17.98,13.85 18.04,13.87 18.11,13.9 18.17,13.92 18.25,13.94 18.32,13.95 18.41,13.96 18.5,13.97 18.59,13.98 18.69,13.98
Net-(D65-Pad2) on Bottom: 23.19,10.09 22.75,9.16 23.29,8.6 23.83,9.16 23.39,10.09
Net-(D66-Pad2) on Bottom: 47,10.09 46.56,9.16 47.1,8.6 47.64,9.16 47.2,10.09
Net-(D66-Pad2) on Bottom: 43.31,14.18 43.17,14.18 43.04,14.19 42.92,14.2 42.81,14.22 42.71,14.24 42.61,14.27 42.52,14.3 42.44,14.33 42.36,14.37 42.28,14.4 42.21,14.45 42.14,14.49 42.08,14.54 42.02,14.59 41.95,14.64 41.89,14.7 41.59,14.99 41.52,15.05 41.45,15.11 41.37,15.17 41.29,15.23 41.21,15.29 41.12,15.35 41.02,15.41 40.92,15.46 40.81,15.52 39.32,14.08 40.81,12.64 40.92,12.7 41.02,12.75 41.12,12.81 41.21,12.87 41.29,12.93 41.37,12.99 41.45,13.05 41.52,13.11 41.59,13.17 41.89,13.46 41.95,13.52 42.02,13.57 42.08,13.62 42.14,13.67 42.21,13.71 42.28,13.76 42.36,13.79 42.44,13.83 42.52,13.86 42.61,13.89 42.71,13.92 42.81,13.94 42.92,13.96 43.04,13.97 43.17,13.98 43.31,13.98
Net-(D66-Pad2) on Bottom: 42.51,14.18 42.4,14.18 42.31,14.19 42.22,14.2 42.14,14.21 42.06,14.22 41.99,14.24 41.92,14.26 41.86,14.29 41.8,14.31 41.74,14.34 41.69,14.37 41.64,14.41 41.59,14.44 41.54,14.48 41.11,14.86 41.06,14.9 41,14.95 40.93,14.99 40.87,15.03 40.8,15.08 40.72,15.12 40.64,15.16 39.52,14.08 40.64,13 40.72,13.04 40.8,13.08 40.87,13.13 40.93,13.17 41,13.21 41.06,13.26 41.11,13.3 41.54,13.68 41.59,13.72 41.64,13.75 41.69,13.79 41.74,13.82 41.8,13.85 41.86,13.87 41.92,13.9 41.99,13.92 42.06,13.94 42.14,13.95 42.22,13.96 42.31,13.97 42.4,13.98 42.51,13.98
Net-(D67-Pad2) on Bottom: 70.81,10.09 70.37,9.16 70.91,8.6 71.45,9.16 71.01,10.09
